# Allegro board SG2042_EVB_V2_0.brd (continued)
## Routing (per net, layer and track width the routed paths; a pad name or vN(x,y) marks a point on that pad's centre or on a via; arc(x,y) is an arc through that point) (continued)
PCIE1_TXM[2]: length 2.2
  TOP w0.152: C392.2 70.4,118.42 J1104.B24
PCIE1_TXM[2]_L: length 102.8
  TOP w0.254: C392.1 70.4,115.46
  ART03 w0.104: 101.62,191.82 101.62,191.84 101.66,191.88 101.66,201.04 101.87,201.25 101.95,201.25 U1.BH14
  ART03 w0.124: 101.62,191.82 101.62,189.66 80.22,168.25 80.22,134.66 73.97,128.42 73.97,123.34 71.97,121.34 71.97,116.9 arc(71.9,116.71) 71.71,116.63 71.6,116.63 arc(71.33,116.36) 71.6,116.1 71.71,116.1 arc(71.9,116.02) 71.97,115.83 71.97,115.29 71.44,114.76 70.44,114.76 70.23,114.97 70.23,115.28 70.4,115.46
PCIE1_TXM[3]: length 2.2
  TOP w0.152: C396.2 74.4,118.42 J1104.B28
PCIE1_TXM[3]_L: length 99.8
  TOP w0.254: C396.1 74.4,115.46
  ART03 w0.104: 102.62,191.82 102.62,191.84 102.66,191.88 102.66,199.04 102.87,199.25 102.95,199.25 U1.BK15
  ART03 w0.124: 102.62,191.82 102.62,189.1 81.32,167.79 81.32,131.26 78.47,128.42 78.47,123.34 76.47,121.34 76.47,116.9 arc(76.4,116.71) 76.21,116.63 76.1,116.63 arc(75.83,116.36) 76.1,116.1 76.21,116.1 arc(76.4,116.02) 76.47,115.83 76.47,115.29 75.94,114.76 74.44,114.76 74.23,114.97 74.23,115.28 74.4,115.46
PCIE1_TXM[4]: length 2.2
  TOP w0.152: C400.2 80.4,118.42 J1104.B34
PCIE1_TXM[4]_L: length 100.8
  TOP w0.254: C400.1 80.4,115.46
  ART03 w0.104: 103.62,191.82 103.62,191.84 103.66,191.88 103.66,201.04 103.87,201.25 103.95,201.25 U1.BH16
  ART03 w0.124: 103.62,191.82 103.62,188.54 82.42,167.33 82.42,129.86 83.97,128.31 83.97,123.34 81.97,121.34 81.97,116.9 arc(81.9,116.71) 81.71,116.63 81.6,116.63 arc(81.33,116.36) 81.6,116.1 81.71,116.1 arc(81.9,116.02) 81.97,115.83 81.97,115.29 81.44,114.76 80.44,114.76 80.23,114.97 80.23,115.28 80.4,115.46
PCIE1_TXM[5]: length 2.2
  TOP w0.152: J1104.B38 84.4,118.42 C404.2
PCIE1_TXM[5]_L: length 99.9
  TOP w0.254: C404.1 84.4,115.46
  ART03 w0.104: U1.BK17 104.95,199.25 104.87,199.25 104.66,199.04 104.66,191.88 104.62,191.84 104.62,191.82
  ART03 w0.124: 84.4,115.46 84.23,115.28 84.23,114.97 84.44,114.76 85.44,114.76 85.97,115.29 85.97,115.83 arc(85.9,116.02) 85.71,116.1 85.6,116.1 arc(85.33,116.36) 85.6,116.63 85.71,116.63 arc(85.9,116.71) 85.97,116.9 85.97,121.34 87.97,123.34 87.97,128.31 83.52,132.76 83.52,166.88 104.62,187.98 104.62,191.82
PCIE1_TXM[6]: length 2.2
  TOP w0.152: C408.2 88.41,118.42 J1104.B42
PCIE1_TXM[6]_L: length 103.1
  TOP w0.254: C408.1 88.41,115.46
  ART03 w0.104: U1.BH18 105.95,201.25 105.87,201.25 105.66,201.04 105.66,191.88 105.62,191.84 105.62,191.82
  ART03 w0.124: 88.41,115.46 88.23,115.28 88.23,114.97 88.44,114.76 89.44,114.76 89.97,115.29 89.97,115.83 arc(89.9,116.02) 89.71,116.1 89.6,116.1 arc(89.33,116.36) 89.6,116.63 89.71,116.63 arc(89.9,116.71) 89.97,116.9 89.97,121.34 91.97,123.34 91.97,128.31 84.63,135.66 84.63,166.42 105.62,187.42 105.62,191.82
PCIE1_TXM[7]: length 2.2
  TOP w0.152: C412.2 92.41,118.42 J1104.B46
PCIE1_TXM[7]_L: length 102.2
  TOP w0.254: C412.1 92.41,115.46
  ART03 w0.104: 106.62,191.82 106.62,191.84 106.66,191.88 106.66,199.04 106.87,199.25 106.95,199.25 U1.BK19
  ART03 w0.124: 92.41,115.46 92.23,115.28 92.23,114.97 92.44,114.76 93.39,114.76 93.92,115.29 93.92,115.83 arc(93.85,116.02) 93.66,116.1 93.54,116.1 arc(93.28,116.36) 93.54,116.63 93.66,116.63 arc(93.85,116.71) 93.92,116.9 93.92,121.5 95.94,123.51 95.94,128.31 85.73,138.52 85.73,165.96 106.62,186.86 106.62,191.82
PCIE1_TXM[8]: length 2.2
  TOP w0.152: C416.2 97.41,118.42 J1104.B51
PCIE1_TXM[8]_L: length 104.4
  TOP w0.254: C416.1 97.41,115.46
  ART03 w0.104: 108.62,191.82 108.62,191.84 108.66,191.88 108.66,199.04 108.87,199.25 108.95,199.25 U1.BK21
  ART03 w0.124: 97.41,115.46 97.23,115.28 97.23,114.97 97.44,114.76 98.44,114.76 98.97,115.29 98.97,115.83 arc(98.9,116.02) 98.71,116.1 98.6,116.1 arc(98.33,116.36) 98.6,116.63 98.71,116.63 arc(98.9,116.71) 98.97,116.9 98.97,121.34 100.97,123.34 100.97,128.31 100.27,129.01 98.4,129.01 87.97,139.45 87.97,165.03 108.62,185.69 108.62,191.82
PCIE1_TXM[9]: length 2.2
  TOP w0.152: C420.2 101.41,118.42 J1104.B55
PCIE1_TXM[9]_L: length 109
  TOP w0.254: C420.1 101.41,115.46
  ART03 w0.104: 109.62,191.82 109.62,191.84 109.66,191.88 109.66,201.04 109.87,201.25 109.95,201.25 U1.BH22
  ART03 w0.124: 109.62,191.82 109.62,185.13 89.07,164.58 89.07,139.9 98.86,130.12 103.17,130.12 104.97,128.31 104.97,123.34 102.97,121.34 102.97,116.9 arc(102.9,116.71) 102.71,116.63 102.6,116.63 arc(102.33,116.36) 102.6,116.1 102.71,116.1 arc(102.9,116.02) 102.97,115.83 102.97,115.29 102.44,114.76 101.44,114.76 101.23,114.97 101.23,115.28 101.41,115.46
PCIE1_TXM[10]: length 2.2
  TOP w0.152: J1104.B59 105.41,118.42 C424.2
PCIE1_TXM[10]_L: length 109.5
  TOP w0.254: C424.1 105.41,115.46
  ART03 w0.104: U1.BK23 110.95,199.25 110.87,199.25 110.66,199.04 110.66,191.88 110.62,191.84 110.62,191.82
  ART03 w0.124: 105.41,115.46 105.23,115.28 105.23,114.97 105.44,114.76 106.44,114.76 106.97,115.29 106.97,115.83 arc(106.9,116.02) 106.71,116.1 106.6,116.1 arc(106.33,116.36) 106.6,116.63 106.71,116.63 arc(106.9,116.71) 106.97,116.9 106.97,121.34 108.97,123.34 108.97,128.31 106.07,131.22 99.32,131.22 90.17,140.36 90.17,164.12 110.62,184.57 110.62,191.82
PCIE1_TXM[11]: length 2.2
  TOP w0.152: J1104.B63 109.41,118.42 C428.2
PCIE1_TXM[11]_L: length 114.1
  TOP w0.254: C428.1 109.41,115.46
  ART03 w0.104: U1.BH24 111.95,201.25 111.87,201.25 111.66,201.04 111.66,191.88 111.62,191.84 111.62,191.82
  ART03 w0.124: 111.62,191.82 111.62,184.01 91.28,163.66 91.28,140.82 99.77,132.32 108.96,132.32 112.97,128.31 112.97,123.34 110.97,121.34 110.97,116.9 arc(110.9,116.71) 110.71,116.63 110.6,116.63 arc(110.33,116.36) 110.6,116.1 110.71,116.1 arc(110.9,116.02) 110.97,115.83 110.97,115.29 110.44,114.76 109.44,114.76 109.23,114.97 109.23,115.28 109.41,115.46
PCIE1_TXM[12]: length 2.2
  TOP w0.152: C432.2 113.41,118.42 J1104.B67
PCIE1_TXM[12]_L: length 114.7
  TOP w0.254: C432.1 113.41,115.46
  ART03 w0.104: U1.BK25 112.95,199.25 112.87,199.25 112.66,199.04 112.66,191.88 112.62,191.84 112.62,191.82
  ART03 w0.124: 112.62,191.82 112.62,183.45 92.38,163.21 92.38,141.28 100.23,133.42 111.86,133.42 116.97,128.31 116.97,123.34 114.97,121.34 114.97,116.9 arc(114.9,116.71) 114.71,116.63 114.6,116.63 arc(114.33,116.36) 114.6,116.1 114.71,116.1 arc(114.9,116.02) 114.97,115.83 114.97,115.29 114.44,114.76 113.44,114.76 113.23,114.97 113.23,115.28 113.41,115.46
PCIE1_TXM[13]: length 2.2
  TOP w0.152: C436.2 117.41,118.42 J1104.B71
PCIE1_TXM[13]_L: length 119.3
  TOP w0.254: C436.1 117.41,115.46
  ART03 w0.104: U1.BH26 113.95,201.25 113.87,201.25 113.66,201.04 113.66,191.88 113.62,191.84 113.62,191.82
  ART03 w0.124: 113.62,191.82 113.62,182.89 93.48,162.75 93.48,141.73 100.69,134.53 114.76,134.53 120.97,128.31 120.97,123.34 118.97,121.34 118.97,116.9 arc(118.9,116.71) 118.71,116.63 118.6,116.63 arc(118.33,116.36) 118.6,116.1 118.71,116.1 arc(118.9,116.02) 118.97,115.83 118.97,115.29 118.44,114.76 117.44,114.76 117.23,114.97 117.23,115.28 117.41,115.46
PCIE1_TXM[14]: length 2.2
  TOP w0.152: C440.2 121.41,118.42 J1104.B75
PCIE1_TXM[14]_L: length 119.9
  TOP w0.254: C440.1 121.41,115.46
  ART03 w0.104: 114.62,191.82 114.62,191.84 114.66,191.88 114.66,199.04 114.87,199.25 114.95,199.25 U1.BK27
  ART03 w0.124: 114.62,191.82 114.62,182.33 94.58,162.29 94.58,142.19 101.14,135.63 117.66,135.63 124.97,128.31 124.97,123.34 122.97,121.34 122.97,116.9 arc(122.9,116.71) 122.71,116.63 122.6,116.63 arc(122.33,116.36) 122.6,116.1 122.71,116.1 arc(122.9,116.02) 122.97,115.83 122.97,115.29 122.44,114.76 121.44,114.76 121.23,114.97 121.23,115.28 121.41,115.46
PCIE1_TXM[15]: length 2.2
  TOP w0.152: C444.2 125.41,118.42 J1104.B79
PCIE1_TXM[15]_L: length 124.5
  TOP w0.254: C444.1 125.41,115.46
  ART03 w0.104: U1.BH28 115.95,201.25 115.87,201.25 115.66,201.04 115.66,191.88 115.62,191.84 115.62,191.82
  ART03 w0.124: 115.62,191.82 115.62,181.78 95.68,161.84 95.68,142.65 101.6,136.73 120.55,136.73 128.97,128.31 128.97,123.34 126.97,121.34 126.97,116.9 arc(126.9,116.71) 126.71,116.63 126.6,116.63 arc(126.33,116.36) 126.6,116.1 126.71,116.1 arc(126.9,116.02) 126.97,115.83 126.97,115.29 126.44,114.76 125.44,114.76 125.23,114.97 125.23,115.28 125.41,115.46
PCIE1_TXP[0]: length 2.2
  TOP w0.152: C381.2 60.8,118.42 J1104.B14
PCIE1_TXP[0]_L: length 106
  TOP w0.254: C381.1 60.8,115.46
  ART03 w0.104: 99.88,191.82 99.88,191.84 99.84,191.88 99.84,200.97 99.94,201.07 100.15,201.07 100.25,200.97 U1.BJ12
  ART03 w0.124: 60.8,115.46 60.97,115.28 60.97,114.87 61.34,114.51 63.05,114.51 63.73,115.19 63.73,121.24 65.73,123.24 65.73,128.31 78.26,140.85 78.26,169.06 99.88,190.67 99.88,191.82
PCIE1_TXP[1]: length 2.2
  TOP w0.152: J1104.B19 65.8,118.42 C386.2
PCIE1_TXP[1]_L: length 102.1
  TOP w0.254: C386.1 65.8,115.46
  ART03 w0.104: U1.BL13 101.25,198.97 101.15,199.07 100.94,199.07 100.84,198.97 100.84,191.88 100.88,191.84 100.88,191.82
  ART03 w0.124: 100.88,191.82 100.88,190.11 79.37,168.6 79.37,137.45 70.23,128.31 70.23,123.24 68.23,121.24 68.23,115.19 67.55,114.51 66.34,114.51 65.97,114.87 65.97,115.28 65.8,115.46
PCIE1_TXP[2]: length 2.2
  TOP w0.152: J1104.B23 69.8,118.42 C390.2
PCIE1_TXP[2]_L: length 102.8
  TOP w0.254: C390.1 69.8,115.46
  ART03 w0.104: U1.BJ14 102.25,200.97 102.15,201.07 101.94,201.07 101.84,200.97 101.84,191.88 101.88,191.84 101.88,191.82
  ART03 w0.124: 69.8,115.46 69.97,115.28 69.97,114.87 70.34,114.51 71.55,114.51 72.23,115.19 72.23,121.24 74.23,123.24 74.23,128.31 80.47,134.55 80.47,168.14 101.88,189.55 101.88,191.82
PCIE1_TXP[3]: length 2.2
  TOP w0.152: C394.2 73.8,118.42 J1104.B27
PCIE1_TXP[3]_L: length 99.9
  TOP w0.254: C394.1 73.8,115.46
  ART03 w0.104: 102.88,191.82 102.88,191.84 102.84,191.88 102.84,198.97 102.94,199.07 103.15,199.07 103.25,198.97 U1.BL15
  ART03 w0.124: 102.88,191.82 102.88,188.99 81.57,167.69 81.57,131.16 78.73,128.31 78.73,123.24 76.73,121.24 76.73,115.19 76.05,114.51 74.34,114.51 73.97,114.87 73.97,115.28 73.8,115.46
PCIE1_TXP[4]: length 2.2
  TOP w0.152: J1104.B33 79.8,118.42 C398.2
PCIE1_TXP[4]_L: length 100.8
  TOP w0.254: C398.1 79.8,115.46
  ART03 w0.104: U1.BJ16 104.25,200.97 104.15,201.07 103.94,201.07 103.84,200.97 103.84,191.88 103.88,191.84 103.88,191.82
  ART03 w0.124: 103.88,191.82 103.88,188.43 82.67,167.23 82.67,129.97 84.23,128.42 84.23,123.24 82.23,121.24 82.23,115.19 81.55,114.51 80.34,114.51 79.97,114.87 79.97,115.28 79.8,115.46
PCIE1_TXP[5]: length 2.2
  TOP w0.152: C402.2 83.8,118.42 J1104.B37
PCIE1_TXP[5]_L: length 100
  TOP w0.254: C402.1 83.8,115.46
  ART03 w0.104: 104.88,191.82 104.88,191.92 104.84,191.96 104.84,198.97 104.94,199.07 105.15,199.07 105.25,198.97 U1.BL17
  ART03 w0.124: 83.8,115.46 83.97,115.28 83.97,114.87 84.34,114.51 85.55,114.51 86.23,115.19 86.23,121.24 88.23,123.24 88.23,128.42 83.77,132.87 83.77,166.77 104.88,187.87 104.88,191.82
PCIE1_TXP[6]: length 2.2
  TOP w0.152: C406.2 87.8,118.42 J1104.B41
PCIE1_TXP[6]_L: length 103.1
  TOP w0.254: C406.1 87.8,115.46
  ART03 w0.104: 105.88,191.82 105.88,191.84 105.84,191.88 105.84,200.97 105.94,201.07 106.15,201.07 106.25,200.97 U1.BJ18
  ART03 w0.124: 105.88,191.82 105.88,187.31 84.88,166.32 84.88,135.76 92.23,128.42 92.23,123.24 90.23,121.24 90.23,115.19 89.55,114.51 88.34,114.51 87.97,114.87 87.97,115.28 87.8,115.46
PCIE1_TXP[7]: length 2.2
  TOP w0.152: C410.2 91.8,118.42 J1104.B45
PCIE1_TXP[7]_L: length 102.2
  TOP w0.254: C410.1 91.8,115.46
  ART03 w0.104: 106.88,191.82 106.88,191.84 106.84,191.88 106.84,198.97 106.94,199.07 107.15,199.07 107.25,198.97 U1.BL19
  ART03 w0.124: 91.8,115.46 91.97,115.28 91.97,114.87 92.34,114.51 93.5,114.51 94.18,115.19 94.18,121.4 96.19,123.41 96.19,128.42 85.98,138.62 85.98,165.86 106.88,186.76 106.88,191.82
PCIE1_TXP[8]: length 2.2
  TOP w0.152: C414.2 96.8,118.42 J1104.B50
PCIE1_TXP[8]_L: length 104.4
  TOP w0.254: C414.1 96.8,115.46
  ART03 w0.104: 108.88,191.82 108.88,191.84 108.84,191.88 108.84,198.97 108.94,199.07 109.15,199.07 109.25,198.97 U1.BL21
  ART03 w0.124: 96.8,115.46 96.97,115.28 96.97,114.87 97.34,114.51 98.55,114.51 99.23,115.19 99.23,121.24 101.23,123.24 101.23,128.42 100.38,129.27 98.51,129.27 88.22,139.55 88.22,164.93 108.88,185.59 108.88,191.82
PCIE1_TXP[9]: length 2.2
  TOP w0.152: C418.2 100.8,118.42 J1104.B54
PCIE1_TXP[9]_L: length 109
  TOP w0.254: C418.1 100.8,115.46
  ART03 w0.104: U1.BJ22 110.25,200.97 110.15,201.07 109.94,201.07 109.84,200.97 109.84,191.88 109.88,191.84 109.88,191.82
  ART03 w0.124: 100.8,115.46 100.97,115.28 100.97,114.87 101.34,114.51 102.55,114.51 103.23,115.19 103.23,121.24 105.23,123.24 105.23,128.42 103.27,130.37 98.96,130.37 89.32,140.01 89.32,164.47 109.88,185.03 109.88,191.82
PCIE1_TXP[10]: length 2.2
  TOP w0.152: C422.2 104.8,118.42 J1104.B58
PCIE1_TXP[10]_L: length 109.6
  TOP w0.254: C422.1 104.8,115.46
  ART03 w0.104: U1.BL23 111.25,198.97 111.15,199.07 110.94,199.07 110.84,198.97 110.84,191.88 110.88,191.84 110.88,191.82
  ART03 w0.124: 104.8,115.46 104.97,115.28 104.97,114.87 105.34,114.51 106.55,114.51 107.23,115.19 107.23,121.24 109.23,123.24 109.23,128.42 106.17,131.47 99.42,131.47 90.42,140.47 90.42,164.02 110.88,184.47 110.88,191.82
PCIE1_TXP[11]: length 2.2
  TOP w0.152: C426.2 108.8,118.42 J1104.B62
PCIE1_TXP[11]_L: length 114.2
  TOP w0.254: C426.1 108.8,115.46
  ART03 w0.104: U1.BJ24 112.25,200.97 112.15,201.07 111.94,201.07 111.84,200.97 111.84,191.88 111.88,191.84 111.88,191.82
  ART03 w0.124: 111.88,191.82 111.88,183.91 91.53,163.56 91.53,140.92 99.88,132.57 109.07,132.57 113.23,128.42 113.23,123.24 111.23,121.24 111.23,115.19 110.55,114.51 109.34,114.51 108.97,114.87 108.97,115.28 108.8,115.46
PCIE1_TXP[12]: length 2.2
  TOP w0.152: C430.2 112.8,118.42 J1104.B66
PCIE1_TXP[12]_L: length 114.8
  TOP w0.254: C430.1 112.8,115.46
  ART03 w0.104: U1.BL25 113.25,198.97 113.15,199.07 112.94,199.07 112.84,198.97 112.84,191.88 112.88,191.84 112.88,191.82
  ART03 w0.124: 112.88,191.82 112.88,183.35 92.63,163.1 92.63,141.38 100.33,133.68 111.97,133.68 117.23,128.42 117.23,123.24 115.23,121.24 115.23,115.19 114.55,114.51 113.34,114.51 112.97,114.87 112.97,115.28 112.8,115.46
PCIE1_TXP[13]: length 2.2
  TOP w0.152: C434.2 116.8,118.42 J1104.B70
PCIE1_TXP[13]_L: length 119.3
  TOP w0.254: C434.1 116.8,115.46
  ART03 w0.104: U1.BJ26 114.25,200.97 114.15,201.07 113.94,201.07 113.84,200.97 113.84,191.88 113.88,191.84 113.88,191.82
  ART03 w0.124: 113.88,191.82 113.88,182.79 93.73,162.65 93.73,141.84 100.79,134.78 114.86,134.78 121.23,128.42 121.23,123.24 119.23,121.24 119.23,115.19 118.55,114.51 117.34,114.51 116.97,114.87 116.97,115.28 116.8,115.46
PCIE1_TXP[14]: length 2.2
  TOP w0.152: C438.2 120.8,118.42 J1104.B74
PCIE1_TXP[14]_L: length 119.9
  TOP w0.254: C438.1 120.8,115.46
  ART03 w0.104: U1.BL27 115.25,198.97 115.15,199.07 114.94,199.07 114.84,198.97 114.84,191.88 114.88,191.84 114.88,191.82
  ART03 w0.124: 120.8,115.46 120.97,115.28 120.97,114.87 121.34,114.51 122.55,114.51 123.23,115.19 123.23,121.24 125.23,123.24 125.23,128.42 117.76,135.88 101.25,135.88 94.83,142.29 94.83,162.19 114.88,182.23 114.88,191.82
PCIE1_TXP[15]: length 2.2
  TOP w0.152: J1104.B78 124.8,118.42 C442.2
PCIE1_TXP[15]_L: length 124.5
  TOP w0.254: C442.1 124.8,115.46
  ART03 w0.104: U1.BJ28 116.25,200.97 116.15,201.07 115.94,201.07 115.84,200.97 115.84,191.88 115.88,191.84 115.88,191.82
  ART03 w0.124: 115.88,191.82 115.88,181.67 95.94,161.73 95.94,142.75 101.71,136.98 120.66,136.98 129.23,128.42 129.23,123.24 127.23,121.24 127.23,115.19 126.55,114.51 125.34,114.51 124.97,114.87 124.97,115.28 124.8,115.46
PCIE_CLK_3.3V: length 20.2
  TOP w0.254: U17.37 v1(108.88,106.35) ; U17.35 v1(107.88,106.35) ; U17.39 v1(109.88,106.35) ; U17.25 v1(104.57,110.16) ; U17.28 v1(104.57,108.66) ; R276.2 v1(104.6,96.67) R272.1 ; U17.12 v1(109.88,113.46) ; U17.32 v1(106.38,106.35) ; U17.6 v1(111.68,110.16) ; U17.3 v1(111.68,108.66)
  TOP w0.381: v1(102.72,104.55) C1156.2 Y2.6
  BOTTOM w0.254: R2113.1 105.21,111.61 C1158.2 ; R2111.1 C1159.2
  BOTTOM w0.381: v1(105.21,106.22) FB12.2 C1165.2 106.38,106.35 v1(106.38,106.35) ; C1160.2 111.68,110.16 v1(111.68,110.16) ; C1163.2 108.74,106.49 v1(108.88,106.35) ; v1(111.68,108.66) 111.68,108.66 C1161.2 ; C1157.2 104.58,108.66 v1(104.57,108.66) ; C1162.2 109.6,106.63 v1(109.88,106.35) ; C1159.2 109.88,113.46 v1(109.88,113.46) ; v1(104.57,110.16) 104.58,110.16 C1158.2 ; v1(107.88,106.35) 107.87,106.35 C1164.2
PCIE_CLKREQ_NVME0: length 2.4
  TOP w0.102: J2030.52 163.21,44.44 R12569.2
PCIE_REFCLK_M: length 2.5
  TOP w0.102: R278.1 R2118.2 106.88,105.61 U17.33
PCIE_REFCLK_P: length 2.5
  TOP w0.102: R277.1 R2117.2 107.38,105.6 U17.34
PCIE_RST_NVME0: length 3.1
  TOP w0.102: J2030.50 163.57,43.94 R12570.2 R12577.2
PCIE_SATA_RST: length 3.9
  TOP w0.102: U3237.45 221.05,76.02 220.88,76.19 R12555.2 R12556.1 R12552.2
PCIE_SATA_RX_N[0]: length 3.9
  TOP w0.114: U3237.32 226.29,71.9 226.41,71.77 227.6,71.77 228.21,72.38 229.04,72.38 C5833.1
PCIE_SATA_RX_P[0]: length 3.9
  TOP w0.114: C5832.1 229.04,72.14 228.31,72.14 227.7,71.52 226.41,71.52 226.29,71.4 U3237.31
PCIE_SATA_TX_N[0]: length 3.9
  TOP w0.114: U3237.35 226.29,73.4 226.41,73.27 227.6,73.27 228.34,74.01 229.04,74.01 C5835.2
PCIE_SATA_TX_P[0]: length 3.9
  TOP w0.114: U3237.34 226.29,72.9 226.41,73.02 227.7,73.02 228.44,73.77 229.04,73.77 C5834.2
PCIE_WAKE_NVME0: length 2.5
  TOP w0.102: R12568.2 162.85,44.94 J2030.54
PD201_OCI1B: length 2.2
  TOP w0.102: R12596.2 27.03,145.87 U3241.26
PD201_OCI2B: length 2.5
  TOP w0.102: R12595.2 26.23,146.49 U3241.24
PD201_OCI3B: length 2.9
  TOP w0.102: U3241.22 25.43,147.42 R12586.2
PD201_OCI4B: length 3.8
  TOP w0.102: R12585.2 22.96,146.69 23.92,146.69 24.63,147.39 U3241.20
PD201_PONRSTB: length 2.6
  TOP w0.102: R12578.2 C5894.2 21.55,149.79 U3241.14
PD201_PONRSTB_22472187: length 2.6
  TOP w0.102: R12807.2 C6062.2 215.55,160.26 U3259.14
PD201_PPON1: length 2.5
  TOP w0.102: U3241.27 27.43,147.36 27.37,147.3 27.37,146.39 R12598.2
PD201_PPON2: length 2.3
  TOP w0.102: R12597.2 26.63,146.03 U3241.25
PD201_PPON3: length 2.7
  TOP w0.102: R12588.2 25.83,146.96 U3241.23
PD201_PPON4: length 3.4
  TOP w0.102: U3241.21 25.03,147.4 24.08,146.46 23.6,146.46 R12587.2
PERSTN: length 5.7
  TOP w0.102: R12491.2 R12501.1 C5689.1 157.34,91.49 U3235.A2
PG_DDR01_VDDQ_1V2: length 192.3
  TOP w0.102: R2070.2 135.76,36.07 138.43,38.73 138.43,49.54 143.22,54.33 161.67,54.33 v1(162.1,53.9) ; U3269.10 v1(188.21,190.63)
  ART14 w0.102: v1(162.1,53.9) 159.28,56.72 159.28,57.99 158.9,58.37 158.9,77.31 160.56,78.97 160.56,82.71 170.99,93.14 170.99,119.39 186.28,134.68 186.28,181.95 188.39,184.06 188.39,190.46 v1(188.21,190.63)
PG_DDR23_VDDQ_1V2: length 290.5
  TOP w0.102: U3270.10 v1(38.71,190.63) ; R2071.2 v1(135.76,35.2)
  ART03 w0.102: v1(17.93,30.89) 17.55,31.27 17.55,126.03 35.61,144.09 35.61,147.95 37.95,150.28 37.95,177 38.71,177.77 v1(38.71,190.63)
  BOTTOM w0.102: v1(135.76,35.2) 135.15,35.81 85.46,35.81 80.36,30.71 18.11,30.71 v1(17.93,30.89)
PG_DDR_VDD_0V8: length 353.6
  TOP w0.102: U202.17 v1(196.49,296.54) ; R2079.2 v1(135.76,28.3)
  ART03 w0.102: v1(164.39,26.21) 179.58,41.4 179.58,42.39 195.61,58.42 195.61,69.82 226.69,100.91 226.69,131.11 210.16,147.65 210.16,170.42 208.58,171.99 208.58,225.6 216.2,233.22 216.2,273.18 212.04,277.34 212.04,285.6 210.19,287.45 210.19,288.73 207.68,291.23 199.46,291.23 196.49,294.2 v1(196.49,296.54)
  BOTTOM w0.102: R2079.2 v1(135.76,28.3) 136.14,28.3 141.02,23.42 147.2,23.42 149.41,25.63 163.8,25.63 v1(164.39,26.21)
PG_VDD_1V05_ASM: length 8.5
  TOP w0.102: R12664.1 v1(178.99,75.9)
  TOP w0.254: U3251.8 182.18,71.11 v1(182.3,70.99)
  ART14 w0.102: v1(182.3,70.99) 182.3,73.89 180.29,75.9 v1(178.99,75.9)
PG_VDD_PCIE_D_0V8: length 8.5
  TOP w0.102: R676.1 v1(119.02,149.71) ; v1(114.12,146.41) 114.24,146.52 U60.8
  ART14 w0.102: v1(119.02,149.71) 119.02,148.36 117.07,146.41 v1(114.12,146.41)
PG_VDDC: length 354.3
  TOP w0.102: U202.16 196.34,296.94 v1(195.94,296.54) ; R2078.2 v1(135.76,29.16)
  ART03 w0.102: v1(195.94,296.54) 195.94,294.47 199.38,291.03 207.6,291.03 209.98,288.64 209.98,287.37 211.84,285.51 211.84,277.26 216,273.09 216,233.3 208.38,225.68 208.38,171.91 209.96,170.33 209.96,147.57 226.49,131.03 226.49,101 195.4,69.91 195.4,58.51 179.37,42.48 179.37,41.81 v1(163.78,26.21)
  BOTTOM w0.102: R2078.2 v1(135.76,29.16) 135.76,28.96 141.11,23.62 147.12,23.62 149.33,25.83 163.4,25.83 v1(163.78,26.21)
PHY0_ACT_LED: length 27.8
  TOP w0.203: R88.2 v1(27.05,248.49) ; R84.2 31.04,271.02 v1(31.04,270.71) 30.99,270.66 U7.32
  ART03 w0.203: v1(31.04,270.71) 30.31,269.98 27.74,269.98 26.87,269.11 26.87,263.3 27.13,263.04 27.13,248.56 v1(27.05,248.49)
PHY0_AVDD33: length 11.5
  TOP w0.203: U7.11 v1(27.79,264.41) ; U7.40 v1(27.79,270.71)
  ART14 w0.381: v1(27.79,264.41) 27.13,265.08 27.13,270.05 v1(27.79,270.71)
  BOTTOM w0.381: FB4.2 C557.1 27.33,270.25 v1(27.79,270.71) 28.19,270.31 C558.1 ; v1(27.79,264.41) 27.79,264.42 C559.1
PHY0_CFG_LDO0: length 29.5
  TOP w0.203: R90.2 v1(4.95,268.5) ; U7.33 v1(30.59,271.4)
  ART14 w0.203: v1(30.59,271.4) 10.67,271.4 7.77,268.5 v1(4.95,268.5)
  BOTTOM w0.381: R85.2 v1(30.59,271.4)
PHY0_CFG_LDO1: length 2.1
  TOP w0.203: v1(30.14,270.71) 30.19,270.66 U7.34
  BOTTOM w0.381: R70.2 30.15,270.7 v1(30.14,270.71) 29.92,270.93 R71.1
PHY0_DVDD33: length 4.9
  TOP w0.203: U7.29 v1(33.43,268.96)
  BOTTOM w0.254: 29.11,271.83 R71.2 28.68,271.4
  BOTTOM w0.381: v1(33.43,268.96) C3175.1 C3174.1 33.43,271.4 FB3.1
PHY0_DVDDRG: length 14
  TOP w0.203: U7.28 32.69,268.56 v1(32.74,268.51)
  BOTTOM w0.381: v1(32.74,268.51) 32.6,268.38 C549.1 C550.1 C551.1 32.97,266.65 C552.1 33.91,266.67 R79.2 ; R69.2 33.99,265.02 R83.2 ; R83.2 R81.2 R79.2 ; R83.2 R73.2 ; R79.2 R77.2 R75.2
PHY0_REGOUT: length 7.8
  TOP w0.203: U7.38 v1(28.59,270.71) ; U7.8 v1(26.44,266.56) ; U7.30 32.69,269.36 v1(32.74,269.41) ; U7.3 v1(26.44,268.56) ; U7.21 v1(32.74,265.76)
  BOTTOM w0.381: C564.1 26.6,268.4 v1(26.44,268.56) ; v1(32.74,269.41) 32.57,269.24 C560.1 C561.1 ; C565.1 29.06,270.25 v1(28.59,270.71) ; v1(32.74,265.76) 32.72,265.79 C562.1 ; C563.1 26.6,266.73 v1(26.44,266.56)
PHY0_RGMII0_IRQ: length 518.3
  TOP w0.102: R12678.2 v1(135.76,38.66) 138.02,40.92 138.02,49.71 143.05,54.74 162.26,54.74 v1(162.66,55.14) ; v1(31.6,270.71) 31.39,270.51 U7.31 ; R2209.2 v1(211.71,245.31)
  ART05 w0.102: v1(211.25,303.48) 210.85,303.89 46.04,303.89 38.51,296.35 38.51,288.59 33.05,283.13 33.05,274.19 31.6,272.75 v1(31.6,270.71)
  ART14 w0.102: v1(211.25,303.48) 209.93,302.16 209.93,281.56 210.21,281.28 210.21,274.52 210.82,273.91 210.82,246.2 v1(211.71,245.31) 211.71,241.27 203.12,232.69 203.12,150.66 171.6,119.14 171.6,92.89 161.17,82.45 161.17,78.18 160.3,77.31 160.3,60.45 159.89,60.05 159.89,57.94 162.66,55.17 v1(162.66,55.14)
  BOTTOM w0.102: v1(135.76,38.66) R12678.2
PHY0_RSET: length 1.6
  TOP w0.102: U7.39 28.19,271.02 R58.2
PHY0_XTAL_IN: length 6.9
  TOP w0.102: Y1.1 29.39,274.98 29.39,273.56 C574.1 29.39,272.65 U7.36
PHY0_XTAL_OUT: length 1.4
  TOP w0.102: U7.37 28.99,271.36 R95.1
PHY_MDI0+: length 14.4
  TOP w0.081: T1.2 20.12,266.03 arc(20.09,266.18) 20,266.31 19.72,266.59 arc(19.63,266.73) 19.6,266.88 19.6,269.97 arc(19.62,270.08) 19.69,270.18 v1(19.79,270.28) ; U7.1 26.67,269.36 arc(26.62,269.35) 26.58,269.33 26.57,269.32 arc(26.53,269.29) 26.48,269.28 26.34,269.28 arc(26.24,269.3) 26.16,269.35 26.01,269.5 arc(25.75,269.68) 25.44,269.74 25.31,269.74 arc(25.19,269.76) 25.09,269.83 v1(24.99,269.93)
  BOTTOM w0.081: v1(19.79,270.28) 19.69,270.18 arc(19.62,270.08) 19.6,269.97 19.6,269.89 arc(19.64,269.78) 19.75,269.74 20.34,269.74 arc(20.46,269.78) 20.5,269.9 arc(20.55,270.01) 20.66,270.06 20.75,270.06 arc(20.87,270.01) 20.91,269.9 arc(20.96,269.78) 21.07,269.74 24.68,269.74 arc(24.8,269.76) 24.89,269.83 v1(24.99,269.93)
PHY_MDI0-: length 14.4
  TOP w0.081: T1.3 18.85,266.03 arc(18.88,266.18) 18.97,266.31 19.25,266.59 arc(19.33,266.73) 19.36,266.88 19.36,269.97 arc(19.34,270.08) 19.28,270.18 v1(19.18,270.28) ; U7.2 26.67,268.96 arc(26.62,268.97) 26.58,269 26.57,269.01 arc(26.53,269.04) 26.48,269.05 26.34,269.05 arc(26.15,269.08) 26,269.19 25.85,269.34 arc(25.66,269.46) 25.44,269.5 25.31,269.5 arc(25.19,269.48) 25.09,269.42 v1(24.99,269.32)
  BOTTOM w0.081: v1(19.18,270.28) 19.28,270.18 arc(19.34,270.08) 19.36,269.97 19.36,269.89 arc(19.48,269.62) 19.75,269.5 24.68,269.5 arc(24.8,269.48) 24.89,269.42 v1(24.99,269.32)
PHY_MDI1+: length 19.2
  TOP w0.081: v1(15.98,270.28) 15.88,270.18 arc(15.81,270.08) 15.79,269.97 15.79,266.88 arc(15.82,266.73) 15.91,266.59 16.19,266.31 arc(16.28,266.18) 16.31,266.03 T1.5 ; v1(24.99,268.55) 25.09,268.45 arc(25.19,268.39) 25.31,268.37 25.72,268.37 arc(25.91,268.33) 26.07,268.22 26.1,268.19 arc(26.22,268.11) 26.36,268.08 26.48,268.08 arc(26.53,268.09) 26.57,268.12 26.58,268.13 arc(26.62,268.15) 26.67,268.16 U7.4
  BOTTOM w0.081: v1(24.99,268.55) 24.89,268.45 arc(24.8,268.39) 24.68,268.37 24.44,268.37 arc(24.22,268.41) 24.04,268.53 23.96,268.61 arc(23.7,268.78) 23.4,268.84 17.2,268.84 arc(17.09,268.89) 17.04,269 arc(16.99,269.12) 16.88,269.17 16.79,269.17 arc(16.68,269.12) 16.63,269 arc(16.58,268.89) 16.47,268.84 15.93,268.84 arc(15.83,268.88) 15.79,268.98 15.79,269.97 arc(15.81,270.08) 15.88,270.18 v1(15.98,270.28)
